# KiCad board panel.kicad_pcb (continued)
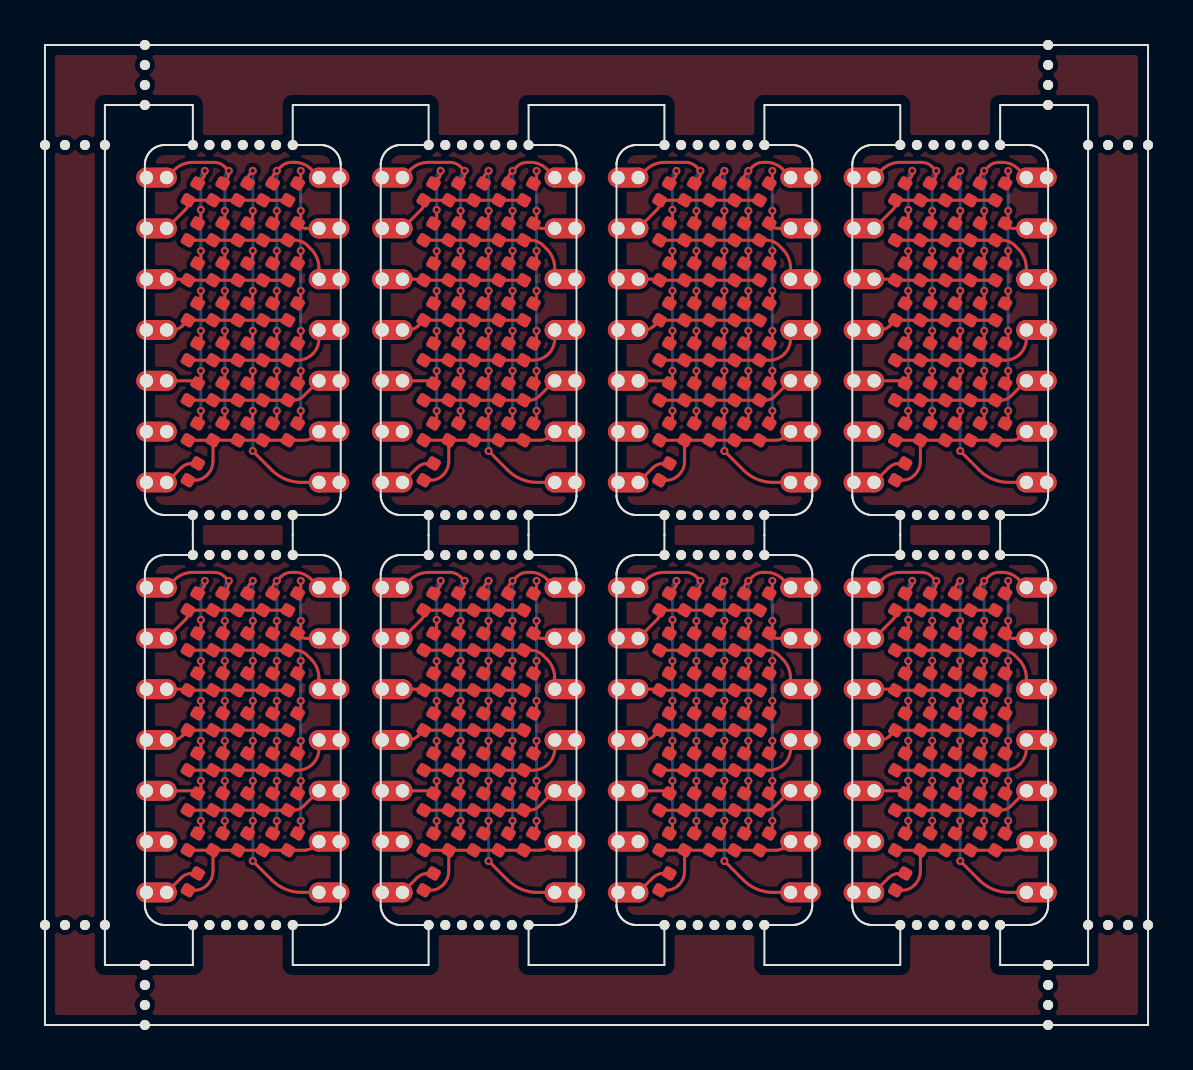
[diagram p0: board, top side]
## Footprints (pads in the part's own frame, mm; a bottom-side part is the same pattern mirrored in y, then rotated)
LED_0402_1005Metric
  rrect 0.59x0.64 smd: 1(-0.485,0) 2(0.485,0)
NPTH
  round 0.5 hole 0.5 unplated: (0,0)
PinHeader_1x14_P1.00mm_Vertical
  rrect 2.032x1 hole 0.67: 1(-1.016,0) 2(-1.016,-2.54) 3(-1.016,-5.08) 4(-1.016,-7.62) 5(-1.016,-10.16) 6(-1.016,-12.7) 7(-1.016,-15.24) 8(8.636,-15.24) 9(8.636,-12.7) 10(8.636,-10.16) 11(8.636,-7.62) 12(8.636,-5.08) 13(8.636,-2.54) 14(8.636,0)
  round 1 hole 0.67: 1(0,0) 2(0,-2.54) 3(0,-5.08) 4(0,-7.62) 5(0,-10.16) 6(0,-12.7) 7(0,-15.24) 8(7.62,-15.24) 9(7.62,-12.7) 10(7.62,-10.16) 11(7.62,-7.62) 12(7.62,-5.08) 13(7.62,-2.54) 14(7.62,0)

## Nets
Board_0-C1: D1#6.2 D2#2.2 D3#6.2 D4#5.2 D5#3.2 D6#2.2 D7#3.2 J3#4.5
Board_0-C2: D8#8.2 D9#4.2 D10.2 D11#2.2 D12#4.2 D13#5.2 D14.2 J3#4.1
Board_0-C3: D15#7.2 D16#2.2 D17#2.2 D18#7.2 D19#8.2 D20#7.2 D21#6.2 J3#4.8
Board_0-C4: D22#4.2 D23#5.2 D24#5.2 D25#7.2 D26#3.2 D27#2.2 D28#7.2 J3#4.14
Board_0-C5: D29#2.2 D30#8.2 D31#3.2 D32#7.2 D33.2 D34#2.2 D35#4.2 J3#4.13
Board_0-DP: D36#4.2 J3#4.7
Board_0-R1: D1#6.1 D8#8.1 D15#7.1 D22#4.1 D29#2.1 J3#4.2
Board_0-R2: D2#2.1 D9#4.1 D16#2.1 D23#5.1 D30#8.1 J3#4.12
Board_0-R3: D3#6.1 D10.1 D17#2.1 D24#5.1 D31#3.1 J3#4.3
Board_0-R4: D4#5.1 D11#2.1 D18#7.1 D25#7.1 D32#7.1 J3#4.4
Board_0-R5: D5#3.1 D12#4.1 D19#8.1 D26#3.1 D33.1 J3#4.11
Board_0-R6: D6#2.1 D13#5.1 D20#7.1 D27#2.1 D34#2.1 J3#4.10
Board_0-R7: D7#3.1 D14.1 D21#6.1 D28#7.1 D35#4.1 D36#4.1 J3#4.9
Board_0-unconnected-(J3-Pin_6-Pad6): J3#4.6
Board_1-C1: D1#2.2 D2#5.2 D3#5.2 D4#7.2 D5#4.2 D6#8.2 D7#4.2 J3#2.5
Board_1-C2: D8#2.2 D9#8.2 D10#4.2 D11#6.2 D12.2 D13#3.2 D14#7.2 J3#2.1
Board_1-C3: D15#6.2 D16.2 D17#7.2 D18#3.2 D19#6.2 D20#3.2 D21#4.2 J3#2.8
Board_1-C4: D22#2.2 D23#7.2 D24#2.2 D25.2 D26.2 D27#6.2 D28#4.2 J3#2.14
Board_1-C5: D29.2 D30.2 D31.2 D32#5.2 D33#8.2 D34#5.2 D35#5.2 J3#2.13
Board_1-DP: D36.2 J3#2.7
Board_1-R1: D1#2.1 D8#2.1 D15#6.1 D22#2.1 D29.1 J3#2.2
Board_1-R2: D2#5.1 D9#8.1 D16.1 D23#7.1 D30.1 J3#2.12
Board_1-R3: D3#5.1 D10#4.1 D17#7.1 D24#2.1 D31.1 J3#2.3
Board_1-R4: D4#7.1 D11#6.1 D18#3.1 D25.1 D32#5.1 J3#2.4
Board_1-R5: D5#4.1 D12.1 D19#6.1 D26.1 D33#8.1 J3#2.11
Board_1-R6: D6#8.1 D13#3.1 D20#3.1 D27#6.1 D34#5.1 J3#2.10
Board_1-R7: D7#4.1 D14#7.1 D21#4.1 D28#4.1 D35#5.1 D36.1 J3#2.9
Board_1-unconnected-(J3-Pin_6-Pad6): J3#2.6
Board_2-C1: D1#5.2 D2#3.2 D3#7.2 D4#3.2 D5#8.2 D6#4.2 D7#5.2 J3#8.5
Board_2-C2: D8#6.2 D9#6.2 D10#2.2 D11#5.2 D12#5.2 D13#6.2 D14#2.2 J3#8.1
Board_2-C3: D15#4.2 D16#4.2 D17#5.2 D18.2 D19#3.2 D20#6.2 D21.2 J3#8.8
Board_2-C4: D22#7.2 D23#6.2 D24#6.2 D25#3.2 D26#2.2 D27#3.2 D28#8.2 J3#8.14
Board_2-C5: D29#4.2 D30#4.2 D31#7.2 D32#8.2 D33#4.2 D34#8.2 D35#3.2 J3#8.13
Board_2-DP: D36#3.2 J3#8.7
Board_2-R1: D1#5.1 D8#6.1 D15#4.1 D22#7.1 D29#4.1 J3#8.2
Board_2-R2: D2#3.1 D9#6.1 D16#4.1 D23#6.1 D30#4.1 J3#8.12
Board_2-R3: D3#7.1 D10#2.1 D17#5.1 D24#6.1 D31#7.1 J3#8.3
Board_2-R4: D4#3.1 D11#5.1 D18.1 D25#3.1 D32#8.1 J3#8.4
Board_2-R5: D5#8.1 D12#5.1 D19#3.1 D26#2.1 D33#4.1 J3#8.11
Board_2-R6: D6#4.1 D13#6.1 D20#6.1 D27#3.1 D34#8.1 J3#8.10
Board_2-R7: D7#5.1 D14#2.1 D21.1 D28#8.1 D35#3.1 D36#3.1 J3#8.9
Board_2-unconnected-(J3-Pin_6-Pad6): J3#8.6
Board_3-C1: D1#8.2 D2#6.2 D3#2.2 D4#4.2 D5#6.2 D6#7.2 D7#8.2 J3#5.5
Board_3-C2: D8#3.2 D9#3.2 D10#6.2 D11#7.2 D12#2.2 D13#7.2 D14#5.2 J3#5.1
Board_3-C3: D15#2.2 D16#5.2 D17#6.2 D18#6.2 D19#2.2 D20#5.2 D21#8.2 J3#5.8
Board_3-C4: D22.2 D23#4.2 D24#3.2 D25#5.2 D26#7.2 D27#5.2 D28#2.2 J3#5.14
Board_3-C5: D29#7.2 D30#5.2 D31#5.2 D32#2.2 D33#7.2 D34.2 D35#8.2 J3#5.13
Board_3-DP: D36#7.2 J3#5.7
Board_3-R1: D1#8.1 D8#3.1 D15#2.1 D22.1 D29#7.1 J3#5.2
Board_3-R2: D2#6.1 D9#3.1 D16#5.1 D23#4.1 D30#5.1 J3#5.12
Board_3-R3: D3#2.1 D10#6.1 D17#6.1 D24#3.1 D31#5.1 J3#5.3
Board_3-R4: D4#4.1 D11#7.1 D18#6.1 D25#5.1 D32#2.1 J3#5.4
Board_3-R5: D5#6.1 D12#2.1 D19#2.1 D26#7.1 D33#7.1 J3#5.11
Board_3-R6: D6#7.1 D13#7.1 D20#5.1 D27#5.1 D34.1 J3#5.10
Board_3-R7: D7#8.1 D14#5.1 D21#8.1 D28#2.1 D35#8.1 D36#7.1 J3#5.9
Board_3-unconnected-(J3-Pin_6-Pad6): J3#5.6
Board_4-C1: D1#4.2 D2#8.2 D3#4.2 D4#6.2 D5.2 D6#5.2 D7.2 J3#3.5
Board_4-C2: D8.2 D9#5.2 D10#8.2 D11.2 D12#3.2 D13.2 D14#6.2 J3#3.1
Board_4-C3: D15#8.2 D16#6.2 D17#3.2 D18#2.2 D19#5.2 D20.2 D21#7.2 J3#3.8
Board_4-C4: D22#5.2 D23#3.2 D24#4.2 D25#4.2 D26#5.2 D27#8.2 D28#3.2 J3#3.14
Board_4-C5: D29#8.2 D30#3.2 D31#8.2 D32#3.2 D33#3.2 D34#3.2 D35.2 J3#3.13
Board_4-DP: D36#6.2 J3#3.7
Board_4-R1: D1#4.1 D8.1 D15#8.1 D22#5.1 D29#8.1 J3#3.2
Board_4-R2: D2#8.1 D9#5.1 D16#6.1 D23#3.1 D30#3.1 J3#3.12
Board_4-R3: D3#4.1 D10#8.1 D17#3.1 D24#4.1 D31#8.1 J3#3.3
Board_4-R4: D4#6.1 D11.1 D18#2.1 D25#4.1 D32#3.1 J3#3.4
Board_4-R5: D5.1 D12#3.1 D19#5.1 D26#5.1 D33#3.1 J3#3.11
Board_4-R6: D6#5.1 D13.1 D20.1 D27#8.1 D34#3.1 J3#3.10
Board_4-R7: D7.1 D14#6.1 D21#7.1 D28#3.1 D35.1 D36#6.1 J3#3.9
Board_4-unconnected-(J3-Pin_6-Pad6): J3#3.6
Board_5-C1: D1.2 D2.2 D3#8.2 D4#2.2 D5#2.2 D6#6.2 D7#2.2 J3#7.5
Board_5-C2: D8#5.2 D9#2.2 D10#3.2 D11#3.2 D12#7.2 D13#2.2 D14#8.2 J3#7.1
Board_5-C3: D15#3.2 D16#7.2 D17#8.2 D18#4.2 D19.2 D20#4.2 D21#3.2 J3#7.8
Board_5-C4: D22#6.2 D23#8.2 D24.2 D25#6.2 D26#6.2 D27.2 D28.2 J3#7.14
Board_5-C5: D29#5.2 D30#2.2 D31#4.2 D32.2 D33#6.2 D34#4.2 D35#6.2 J3#7.13
Board_5-DP: D36#5.2 J3#7.7
Board_5-R1: D1.1 D8#5.1 D15#3.1 D22#6.1 D29#5.1 J3#7.2
Board_5-R2: D2.1 D9#2.1 D16#7.1 D23#8.1 D30#2.1 J3#7.12
Board_5-R3: D3#8.1 D10#3.1 D17#8.1 D24.1 D31#4.1 J3#7.3
Board_5-R4: D4#2.1 D11#3.1 D18#4.1 D25#6.1 D32.1 J3#7.4
Board_5-R5: D5#2.1 D12#7.1 D19.1 D26#6.1 D33#6.1 J3#7.11
Board_5-R6: D6#6.1 D13#2.1 D20#4.1 D27.1 D34#4.1 J3#7.10
Board_5-R7: D7#2.1 D14#8.1 D21#3.1 D28.1 D35#6.1 D36#5.1 J3#7.9
Board_5-unconnected-(J3-Pin_6-Pad6): J3#7.6
Board_6-C1: D1#3.2 D2#7.2 D3.2 D4.2 D5#5.2 D6#3.2 D7#6.2 J3.5
Board_6-C2: D8#4.2 D9#7.2 D10#7.2 D11#8.2 D12#6.2 D13#4.2 D14#4.2 J3.1
Board_6-C3: D15.2 D16#8.2 D17.2 D18#5.2 D19#4.2 D20#2.2 D21#5.2 J3.8
Board_6-C4: D22#8.2 D23#2.2 D24#8.2 D25#8.2 D26#8.2 D27#7.2 D28#5.2 J3.14
Board_6-C5: D29#6.2 D30#6.2 D31#6.2 D32#6.2 D33#2.2 D34#6.2 D35#7.2 J3.13
Board_6-DP: D36#8.2 J3.7
Board_6-R1: D1#3.1 D8#4.1 D15.1 D22#8.1 D29#6.1 J3.2
Board_6-R2: D2#7.1 D9#7.1 D16#8.1 D23#2.1 D30#6.1 J3.12
Board_6-R3: D3.1 D10#7.1 D17.1 D24#8.1 D31#6.1 J3.3
Board_6-R4: D4.1 D11#8.1 D18#5.1 D25#8.1 D32#6.1 J3.4
Board_6-R5: D5#5.1 D12#6.1 D19#4.1 D26#8.1 D33#2.1 J3.11
Board_6-R6: D6#3.1 D13#4.1 D20#2.1 D27#7.1 D34#6.1 J3.10
Board_6-R7: D7#6.1 D14#4.1 D21#5.1 D28#5.1 D35#7.1 D36#8.1 J3.9
Board_6-unconnected-(J3-Pin_6-Pad6): J3.6
Board_7-C1: D1#7.2 D2#4.2 D3#3.2 D4#8.2 D5#7.2 D6.2 D7#7.2 J3#6.5
Board_7-C2: D8#7.2 D9.2 D10#5.2 D11#4.2 D12#8.2 D13#8.2 D14#3.2 J3#6.1
Board_7-C3: D15#5.2 D16#3.2 D17#4.2 D18#8.2 D19#7.2 D20#8.2 D21#2.2 J3#6.8
Board_7-C4: D22#3.2 D23.2 D24#7.2 D25#2.2 D26#4.2 D27#4.2 D28#6.2 J3#6.14
Board_7-C5: D29#3.2 D30#7.2 D31#2.2 D32#4.2 D33#5.2 D34#7.2 D35#2.2 J3#6.13
Board_7-DP: D36#2.2 J3#6.7
Board_7-R1: D1#7.1 D8#7.1 D15#5.1 D22#3.1 D29#3.1 J3#6.2
Board_7-R2: D2#4.1 D9.1 D16#3.1 D23.1 D30#7.1 J3#6.12
Board_7-R3: D3#3.1 D10#5.1 D17#4.1 D24#7.1 D31#2.1 J3#6.3
Board_7-R4: D4#8.1 D11#4.1 D18#8.1 D25#2.1 D32#4.1 J3#6.4
Board_7-R5: D5#7.1 D12#8.1 D19#7.1 D26#4.1 D33#5.1 J3#6.11
Board_7-R6: D6.1 D13#8.1 D20#8.1 D27#4.1 D34#7.1 J3#6.10
Board_7-R7: D7#7.1 D14#3.1 D21#2.1 D28#6.1 D35#2.1 D36#2.1 J3#6.9
Board_7-unconnected-(J3-Pin_6-Pad6): J3#6.6

## Via types
v1: diameter 0.4, hole 0.2, Top to Bottom, 288 vias

## Routing (per net, layer and track width the routed paths; a pad name or vN(x,y) marks a point on that pad's centre or on a via; arc(x,y) is an arc through that point)
Board_0-C1: length 18.6
  Top w0.15: v1(7.8,40.76) 7.8,40.35 arc(7.78,40.24) 7.72,40.16 D2#2.2 ; v1(7.8,30.71) 7.8,30.35 arc(7.78,30.24) 7.72,30.16 D7#3.2 ; D3#6.2 7.72,38.16 arc(7.78,38.24) 7.8,38.35 v1(7.8,38.7) ; v1(8,42.71) 8,42.57 arc(7.97,42.45) 7.9,42.34 D1#6.2 ; v1(7.8,32.71) 7.8,32.35 arc(7.78,32.24) 7.72,32.16 D6#2.2 7.58,32.14 arc(7.5,32.19) 7.42,32.21 J3#4.5 ; D4#5.2 7.72,36.16 arc(7.78,36.24) 7.8,36.35 v1(7.8,36.71) ; D5#3.2 7.72,34.16 arc(7.78,34.24) 7.8,34.35 v1(7.8,34.71)
  Bottom w0.15: v1(8,42.71) 7.9,42.61 arc(7.83,42.5) 7.8,42.37 v1(7.8,40.76) v1(7.8,38.7) v1(7.8,36.71) v1(7.8,34.71) v1(7.8,32.71) v1(7.8,30.71)
Board_0-C2: length 20.3
  Top w0.15: v1(9,38.71) 9,38.26 arc(8.99,38.19) 8.95,38.13 D10.2 ; v1(9,36.71) 9,36.26 arc(8.99,36.19) 8.95,36.13 D11#2.2 ; J3#4.1 6.47,42.75 arc(6.89,43.03) 7.39,43.13 8.47,43.13 arc(8.75,43.08) 8.99,42.92 v1(9.2,42.71) 9.2,42.55 arc(9.17,42.4) 9.09,42.27 D8#8.2 ; v1(9,40.71) 9,40.26 arc(8.99,40.19) 8.95,40.13 D9#4.2 ; D14.2 8.95,30.13 arc(8.99,30.19) 9,30.26 v1(9,30.71) ; v1(9,32.71) 9,32.26 arc(8.99,32.19) 8.95,32.13 D13#5.2 ; v1(9,34.71) 9,34.26 arc(8.99,34.19) 8.95,34.13 D12#4.2
  Bottom w0.15: v1(9,30.71) v1(9,32.71) v1(9,34.71) v1(9,36.71) v1(9,38.71) v1(9,40.71) 9,42.37 arc(9.03,42.5) 9.1,42.61 v1(9.2,42.71)
Board_0-C3: length 22.9
  Top w0.15: v1(10.4,38.71) 10.4,38.52 arc(10.37,38.35) 10.27,38.21 D17#2.2 ; v1(10.4,40.71) 10.4,40.52 arc(10.37,40.35) 10.27,40.21 D16#2.2 ; D18#7.2 10.27,36.21 arc(10.37,36.35) 10.4,36.52 v1(10.4,36.71) ; v1(10.4,32.71) 10.4,32.52 arc(10.37,32.35) 10.27,32.21 D20#7.2 ; D21#6.2 10.27,30.21 arc(10.37,30.35) 10.4,30.52 v1(10.4,30.71) ; v1(10.4,42.71) 10.27,42.58 arc(10.18,42.44) 10.14,42.27 D15#7.2 ; D19#8.2 10.27,34.21 arc(10.37,34.35) 10.4,34.52 v1(10.4,34.71) ; v1(10.4,28.7) 11.35,27.75 arc(12.04,27.29) 12.84,27.13 J3#4.8
  Bottom w0.15: v1(10.4,28.7) v1(10.4,30.71) v1(10.4,32.71) v1(10.4,34.71) v1(10.4,36.71) v1(10.4,38.71) v1(10.4,40.71) v1(10.4,42.71)
Board_0-C4: length 19.4
  Top w0.15: D26#3.2 11.5,34.18 arc(11.57,34.3) 11.6,34.43 v1(11.6,34.71) ; v1(11.6,40.71) 11.6,40.43 arc(11.57,40.3) 11.5,40.18 D23#5.2 ; v1(11.6,38.71) 11.6,38.43 arc(11.57,38.3) 11.5,38.18 D24#5.2 ; D27#2.2 11.5,32.18 arc(11.57,32.3) 11.6,32.43 v1(11.6,32.71) ; v1(11.6,36.71) 11.6,36.43 arc(11.57,36.3) 11.5,36.18 D25#7.2 ; D22#4.2 11.39,42.35 arc(11.42,42.49) 11.5,42.6 v1(11.6,42.71) 11.81,42.92 arc(12.05,43.08) 12.33,43.13 12.5,43.13 arc(12.94,43.05) 13.31,42.8 13.7,42.41 arc(13.71,42.4) 13.71,42.38 J3#4.14 ; v1(11.6,30.71) 11.6,30.43 arc(11.57,30.3) 11.5,30.18 D28#7.2
  Bottom w0.15: v1(11.6,42.71) v1(11.6,40.71) v1(11.6,38.71) v1(11.6,36.71) v1(11.6,34.71) v1(11.6,32.71) v1(11.6,30.71)
Board_0-C5: length 18
  Top w0.15: D35#4.2 12.72,30.16 arc(12.78,30.24) 12.8,30.35 v1(12.8,30.71) ; D32#7.2 12.72,36.16 arc(12.78,36.24) 12.8,36.35 v1(12.8,36.71) ; v1(12.8,32.71) 12.8,32.35 arc(12.78,32.24) 12.72,32.16 D34#2.2 ; v1(12.8,38.71) 12.8,38.35 arc(12.78,38.24) 12.72,38.16 D31#3.2 ; J3#4.13 13.07,39.83 arc(12.9,39.86) 12.77,39.95 D30#8.2 12.72,40.16 arc(12.78,40.24) 12.8,40.35 v1(12.8,40.71) 12.84,40.74 ; v1(12.8,34.71) 12.8,34.35 arc(12.78,34.24) 12.72,34.16 D33.2 ; v1(12.8,42.71) 12.8,42.35 arc(12.78,42.24) 12.72,42.16 D29#2.2
  Bottom w0.15: v1(12.8,42.71) v1(12.8,40.71) v1(12.8,38.71) v1(12.8,36.71) v1(12.8,34.71) v1(12.8,32.71) v1(12.8,30.71)
Board_0-DP: length 1.9
  Top w0.15: J3#4.7 6.82,27.86 arc(7.06,28.02) 7.34,28.08 7.63,28.08 arc(7.64,28.08) 7.64,28.09 7.63,28.09
Board_0-R1: length 6.8
  Top w0.15: D29#2.1 D15#7.1 D8#8.1 D1#6.1 7.16,41.07 arc(7.13,40.91) 7.04,40.78 J3#4.2
Board_0-R2: length 8
  Top w0.15: J3#4.12 13.71,37.84 arc(13.61,38.36) 13.32,38.79 13.12,38.99 arc(12.84,39.17) 12.51,39.24 D30#8.1 D23#5.1 D16#2.1 D9#4.1 7.03,39.24
Board_0-R3: length 6.1
  Top w0.15: D31#3.1 D17#2.1 D10.1 D3#6.1 ; J3#4.3 7.07,37.29 arc(7.1,37.28) 7.13,37.26 arc(7.13,37.25) 7.12,37.24 7.07,37.24
Board_0-R4: length 6.2
  Top w0.15: D32#7.1 D25#7.1 D18#7.1 D11#2.1 D4#5.1 6.87,34.95 arc(6.65,34.8) 6.38,34.75 J3#4.4
Board_0-R5: length 7.6
  Top w0.15: J3#4.11 13.71,34.31 arc(13.63,33.9) 13.4,33.55 13.4,33.55 arc(13.05,33.32) 12.64,33.24 D33.1 D26#3.1 D19#8.1 D12#4.1 D5#3.1
Board_0-R6: length 6.9
  Top w0.15: J3#4.10 13.71,32.21 arc(13.7,32.21) 13.7,32.21 12.93,31.44 arc(12.71,31.29) 12.44,31.24 D34#2.1 D27#2.1 D20#7.1 D13#5.1 D6#2.1
Board_0-R7: length 9.5
  Top w0.15: J3#4.9 13.49,29.45 arc(13.25,29.29) 12.97,29.24 D35#4.1 D28#7.1 D21#6.1 D14.1 ; D14.1 D7#3.1 ; D14.1 8.41,28.19 arc(8.34,27.83) 8.13,27.52 8.09,27.48 arc(7.82,27.3) 7.5,27.24 D36#4.1
Board_1-C1: length 18.6
  Top w0.15: D1#2.2 19.7,42.34 arc(19.77,42.45) 19.8,42.57 v1(19.8,42.71) ; v1(19.6,32.71) 19.6,32.35 arc(19.58,32.24) 19.52,32.16 D6#8.2 19.38,32.14 arc(19.3,32.19) 19.22,32.21 J3#2.5 ; v1(19.6,30.71) 19.6,30.35 arc(19.58,30.24) 19.52,30.16 D7#4.2 ; v1(19.6,38.7) 19.6,38.35 arc(19.58,38.24) 19.52,38.16 D3#5.2 ; v1(19.6,36.71) 19.6,36.35 arc(19.58,36.24) 19.52,36.16 D4#7.2 ; D5#4.2 19.52,34.16 arc(19.58,34.24) 19.6,34.35 v1(19.6,34.71) ; D2#5.2 19.52,40.16 arc(19.58,40.24) 19.6,40.35 v1(19.6,40.76)
  Bottom w0.15: v1(19.8,42.71) 19.7,42.61 arc(19.63,42.5) 19.6,42.37 v1(19.6,40.76) v1(19.6,38.7) v1(19.6,36.71) v1(19.6,34.71) v1(19.6,32.71) v1(19.6,30.71)
Board_1-C2: length 20.3
  Top w0.15: v1(20.8,40.71) 20.8,40.26 arc(20.79,40.19) 20.75,40.13 D9#8.2 ; D14#7.2 20.75,30.13 arc(20.79,30.19) 20.8,30.26 v1(20.8,30.71) ; J3#2.1 18.27,42.75 arc(18.69,43.03) 19.19,43.13 20.27,43.13 arc(20.55,43.08) 20.79,42.92 v1(21,42.71) 21,42.55 arc(20.97,42.4) 20.89,42.27 D8#2.2 ; v1(20.8,32.71) 20.8,32.26 arc(20.79,32.19) 20.75,32.13 D13#3.2 ; v1(20.8,34.71) 20.8,34.26 arc(20.79,34.19) 20.75,34.13 D12.2 ; D11#6.2 20.75,36.13 arc(20.79,36.19) 20.8,36.26 v1(20.8,36.71) ; D10#4.2 20.75,38.13 arc(20.79,38.19) 20.8,38.26 v1(20.8,38.71)
  Bottom w0.15: v1(20.8,30.71) v1(20.8,32.71) v1(20.8,34.71) v1(20.8,36.71) v1(20.8,38.71) v1(20.8,40.71) 20.8,42.37 arc(20.83,42.5) 20.9,42.61 v1(21,42.71)
Board_1-C3: length 22.9
  Top w0.15: D21#4.2 22.07,30.21 arc(22.17,30.35) 22.2,30.52 v1(22.2,30.71) ; v1(22.2,28.7) 23.15,27.75 arc(23.84,27.29) 24.64,27.13 J3#2.8 ; D19#6.2 22.07,34.21 arc(22.17,34.35) 22.2,34.52 v1(22.2,34.71) ; D16.2 22.07,40.21 arc(22.17,40.35) 22.2,40.52 v1(22.2,40.71) ; v1(22.2,32.71) 22.2,32.52 arc(22.17,32.35) 22.07,32.21 D20#3.2 ; D18#3.2 22.07,36.21 arc(22.17,36.35) 22.2,36.52 v1(22.2,36.71) ; D15#6.2 21.94,42.27 arc(21.98,42.44) 22.07,42.58 v1(22.2,42.71) ; v1(22.2,38.71) 22.2,38.52 arc(22.17,38.35) 22.07,38.21 D17#7.2
  Bottom w0.15: v1(22.2,42.71) v1(22.2,40.71) v1(22.2,38.71) v1(22.2,36.71) v1(22.2,34.71) v1(22.2,32.71) v1(22.2,30.71) v1(22.2,28.7)
Board_1-C4: length 19.4
  Top w0.15: D24#2.2 23.3,38.18 arc(23.37,38.3) 23.4,38.43 v1(23.4,38.71) ; v1(23.4,32.71) 23.4,32.43 arc(23.37,32.3) 23.3,32.18 D27#6.2 ; D26.2 23.3,34.18 arc(23.37,34.3) 23.4,34.43 v1(23.4,34.71) ; v1(23.4,36.71) 23.4,36.43 arc(23.37,36.3) 23.3,36.18 D25.2 ; v1(23.4,40.71) 23.4,40.43 arc(23.37,40.3) 23.3,40.18 D23#7.2 ; J3#2.14 25.51,42.38 arc(25.51,42.4) 25.5,42.41 25.11,42.8 arc(24.74,43.05) 24.3,43.13 24.13,43.13 arc(23.85,43.08) 23.61,42.92 v1(23.4,42.71) 23.3,42.6 arc(23.22,42.49) 23.19,42.35 D22#2.2 ; v1(23.4,30.71) 23.4,30.43 arc(23.37,30.3) 23.3,30.18 D28#4.2
  Bottom w0.15: v1(23.4,42.71) v1(23.4,40.71) v1(23.4,38.71) v1(23.4,36.71) v1(23.4,34.71) v1(23.4,32.71) v1(23.4,30.71)
Board_1-C5: length 18
  Top w0.15: D33#8.2 24.52,34.16 arc(24.58,34.24) 24.6,34.35 v1(24.6,34.71) ; D35#5.2 24.52,30.16 arc(24.58,30.24) 24.6,30.35 v1(24.6,30.71) ; v1(24.6,42.71) 24.6,42.35 arc(24.58,42.24) 24.52,42.16 D29.2 ; 24.63,40.74 v1(24.6,40.71) 24.6,40.35 arc(24.58,40.24) 24.52,40.16 D30.2 24.57,39.95 arc(24.7,39.86) 24.87,39.83 J3#2.13 ; v1(24.6,38.71) 24.6,38.35 arc(24.58,38.24) 24.52,38.16 D31.2 ; D34#5.2 24.52,32.16 arc(24.58,32.24) 24.6,32.35 v1(24.6,32.71) ; v1(24.6,36.71) 24.6,36.35 arc(24.58,36.24) 24.52,36.16 D32#5.2
  Bottom w0.15: v1(24.6,42.71) v1(24.6,40.71) v1(24.6,38.71) v1(24.6,36.71) v1(24.6,34.71) v1(24.6,32.71) v1(24.6,30.71)
Board_1-DP: length 1.9
  Top w0.15: J3#2.7 18.62,27.86 arc(18.86,28.02) 19.14,28.08 19.43,28.08 arc(19.44,28.08) 19.44,28.09 19.43,28.09
Board_1-R1: length 6.8
  Top w0.15: D29.1 D15#6.1 D8#2.1 D1#2.1 18.96,41.07 arc(18.93,40.91) 18.84,40.78 J3#2.2
Board_1-R2: length 8
  Top w0.15: J3#2.12 25.51,37.84 arc(25.41,38.36) 25.12,38.79 24.92,38.99 arc(24.64,39.17) 24.31,39.24 D30.1 D23#7.1 D16.1 D9#8.1 18.84,39.24
Board_1-R3: length 6.1
  Top w0.15: D31.1 D17#7.1 D10#4.1 D3#5.1 ; 18.87,37.24 18.92,37.24 arc(18.93,37.25) 18.93,37.26 arc(18.9,37.28) 18.87,37.29 J3#2.3
Board_1-R4: length 6.2
  Top w0.15: D32#5.1 D25.1 D18#3.1 D11#6.1 D4#7.1 18.67,34.95 arc(18.45,34.8) 18.18,34.75 J3#2.4
Board_1-R5: length 7.6
  Top w0.15: D5#4.1 D12.1 D19#6.1 D26.1 D33#8.1 24.44,33.24 arc(24.85,33.32) 25.2,33.55 25.2,33.55 arc(25.43,33.9) 25.51,34.31 J3#2.11
Board_1-R6: length 6.9
  Top w0.15: J3#2.10 25.51,32.21 arc(25.5,32.21) 25.5,32.21 24.73,31.44 arc(24.51,31.29) 24.24,31.24 D34#5.1 D27#6.1 D20#3.1 D13#3.1 D6#8.1
Board_1-R7: length 9.5
  Top w0.15: D14#7.1 D21#4.1 D28#4.1 D35#5.1 24.77,29.24 arc(25.05,29.29) 25.29,29.45 J3#2.9 ; D14#7.1 20.21,28.19 arc(20.14,27.83) 19.93,27.52 19.89,27.48 arc(19.62,27.3) 19.3,27.24 D36.1 ; D14#7.1 D7#4.1
Board_2-C1: length 18.6
  Top w0.15: D5#8.2 31.32,34.16 arc(31.38,34.24) 31.4,34.35 v1(31.4,34.71) ; D1#5.2 31.5,42.34 arc(31.57,42.45) 31.6,42.57 v1(31.6,42.71) ; D4#3.2 31.32,36.16 arc(31.38,36.24) 31.4,36.35 v1(31.4,36.71) ; v1(31.4,40.76) 31.4,40.35 arc(31.38,40.24) 31.32,40.16 D2#3.2 ; D3#7.2 31.32,38.16 arc(31.38,38.24) 31.4,38.35 v1(31.4,38.7) ; v1(31.4,30.71) 31.4,30.35 arc(31.38,30.24) 31.32,30.16 D7#5.2 ; J3#8.5 31.02,32.21 arc(31.1,32.19) 31.18,32.14 D6#4.2 31.32,32.16 arc(31.38,32.24) 31.4,32.35 v1(31.4,32.71)
  Bottom w0.15: v1(31.4,30.71) v1(31.4,32.71) v1(31.4,34.71) v1(31.4,36.71) v1(31.4,38.7) v1(31.4,40.76) 31.4,42.37 arc(31.43,42.5) 31.5,42.61 v1(31.6,42.71)
Board_2-C2: length 20.3
  Top w0.15: v1(32.6,30.71) 32.6,30.26 arc(32.59,30.19) 32.55,30.13 D14#2.2 ; D8#6.2 32.69,42.27 arc(32.77,42.4) 32.8,42.55 v1(32.8,42.71) 32.59,42.92 arc(32.35,43.08) 32.07,43.13 30.99,43.13 arc(30.49,43.03) 30.07,42.75 J3#8.1 ; D9#6.2 32.55,40.13 arc(32.59,40.19) 32.6,40.26 v1(32.6,40.71) ; D12#5.2 32.55,34.13 arc(32.59,34.19) 32.6,34.26 v1(32.6,34.71) ; D13#6.2 32.55,32.13 arc(32.59,32.19) 32.6,32.26 v1(32.6,32.71) ; v1(32.6,36.71) 32.6,36.26 arc(32.59,36.19) 32.55,36.13 D11#5.2 ; D10#2.2 32.55,38.13 arc(32.59,38.19) 32.6,38.26 v1(32.6,38.71)
  Bottom w0.15: v1(32.6,30.71) v1(32.6,32.71) v1(32.6,34.71) v1(32.6,36.71) v1(32.6,38.71) v1(32.6,40.71) 32.6,42.37 arc(32.63,42.5) 32.7,42.61 v1(32.8,42.71)
Board_2-C3: length 22.9
  Top w0.15: D17#5.2 33.87,38.21 arc(33.97,38.35) 34,38.52 v1(34,38.71) ; D15#4.2 33.74,42.27 arc(33.78,42.44) 33.87,42.58 v1(34,42.71) ; v1(34,32.71) 34,32.52 arc(33.97,32.35) 33.87,32.21 D20#6.2 ; D21.2 33.87,30.21 arc(33.97,30.35) 34,30.52 v1(34,30.71) ; J3#8.8 36.44,27.13 arc(35.64,27.29) 34.95,27.75 v1(34,28.7) ; v1(34,36.71) 34,36.52 arc(33.97,36.35) 33.87,36.21 D18.2 ; v1(34,40.71) 34,40.52 arc(33.97,40.35) 33.87,40.21 D16#4.2 ; v1(34,34.71) 34,34.52 arc(33.97,34.35) 33.87,34.21 D19#3.2
  Bottom w0.15: v1(34,28.7) v1(34,30.71) v1(34,32.71) v1(34,34.71) v1(34,36.71) v1(34,38.71) v1(34,40.71) v1(34,42.71)
Board_2-C4: length 19.4
  Top w0.15: J3#8.14 37.31,42.38 arc(37.31,42.4) 37.3,42.41 36.91,42.8 arc(36.54,43.05) 36.1,43.13 35.93,43.13 arc(35.65,43.08) 35.41,42.92 v1(35.2,42.71) 35.1,42.6 arc(35.02,42.49) 34.99,42.35 D22#7.2 ; D27#3.2 35.1,32.18 arc(35.17,32.3) 35.2,32.43 v1(35.2,32.71) ; D23#6.2 35.1,40.18 arc(35.17,40.3) 35.2,40.43 v1(35.2,40.71) ; v1(35.2,38.71) 35.2,38.43 arc(35.17,38.3) 35.1,38.18 D24#6.2 ; D25#3.2 35.1,36.18 arc(35.17,36.3) 35.2,36.43 v1(35.2,36.71) ; v1(35.2,30.71) 35.2,30.43 arc(35.17,30.3) 35.1,30.18 D28#8.2 ; D26#2.2 35.1,34.18 arc(35.17,34.3) 35.2,34.43 v1(35.2,34.71)
  Bottom w0.15: v1(35.2,30.71) v1(35.2,32.71) v1(35.2,34.71) v1(35.2,36.71) v1(35.2,38.71) v1(35.2,40.71) v1(35.2,42.71)
Board_2-C5: length 18
  Top w0.15: v1(36.4,42.71) 36.4,42.35 arc(36.38,42.24) 36.32,42.16 D29#4.2 ; J3#8.13 36.67,39.83 arc(36.5,39.86) 36.37,39.95 D30#4.2 36.32,40.16 arc(36.38,40.24) 36.4,40.35 v1(36.4,40.71) 36.44,40.74 ; v1(36.4,34.71) 36.4,34.35 arc(36.38,34.24) 36.32,34.16 D33#4.2 ; D34#8.2 36.32,32.16 arc(36.38,32.24) 36.4,32.35 v1(36.4,32.71) ; D32#8.2 36.32,36.16 arc(36.38,36.24) 36.4,36.35 v1(36.4,36.71) ; D31#7.2 36.32,38.16 arc(36.38,38.24) 36.4,38.35 v1(36.4,38.71) ; D35#3.2 36.32,30.16 arc(36.38,30.24) 36.4,30.35 v1(36.4,30.71)
  Bottom w0.15: v1(36.4,42.71) v1(36.4,40.71) v1(36.4,38.71) v1(36.4,36.71) v1(36.4,34.71) v1(36.4,32.71) v1(36.4,30.71)
Board_2-DP: length 1.9
  Top w0.15: 31.23,28.09 31.24,28.09 arc(31.24,28.08) 31.23,28.08 30.94,28.08 arc(30.66,28.02) 30.42,27.86 J3#8.7
Board_2-R1: length 6.8
  Top w0.15: J3#8.2 30.64,40.78 arc(30.73,40.91) 30.76,41.07 D1#5.1 D8#6.1 D15#4.1 D29#4.1
Board_2-R2: length 8
  Top w0.15: J3#8.12 37.31,37.84 arc(37.21,38.36) 36.92,38.79 36.72,38.99 arc(36.44,39.17) 36.11,39.24 D30#4.1 D23#6.1 D16#4.1 D9#6.1 30.63,39.24
Board_2-R3: length 6.1
  Top w0.15: 30.67,37.24 30.72,37.24 arc(30.73,37.25) 30.73,37.26 arc(30.7,37.28) 30.67,37.29 J3#8.3 ; D31#7.1 D17#5.1 D10#2.1 D3#7.1
Board_2-R4: length 6.2
  Top w0.15: D32#8.1 D25#3.1 D18.1 D11#5.1 D4#3.1 30.47,34.95 arc(30.25,34.8) 29.98,34.75 J3#8.4
Board_2-R5: length 7.6
  Top w0.15: J3#8.11 37.31,34.31 arc(37.23,33.9) 37,33.55 37,33.55 arc(36.65,33.32) 36.24,33.24 D33#4.1 D26#2.1 D19#3.1 D12#5.1 D5#8.1
Board_2-R6: length 6.9
  Top w0.15: D6#4.1 D13#6.1 D20#6.1 D27#3.1 D34#8.1 36.04,31.24 arc(36.31,31.29) 36.53,31.44 37.3,32.21 arc(37.3,32.21) 37.31,32.21 J3#8.10
Board_2-R7: length 9.5
  Top w0.15: D14#2.1 32.01,28.19 arc(31.94,27.83) 31.73,27.52 31.69,27.48 arc(31.42,27.3) 31.1,27.24 D36#3.1 ; D14#2.1 D7#5.1 ; D14#2.1 D21.1 D28#8.1 D35#3.1 36.57,29.24 arc(36.85,29.29) 37.09,29.45 J3#8.9
Board_3-C1: length 18.6
  Top w0.15: v1(43.2,34.71) 43.2,34.35 arc(43.18,34.24) 43.12,34.16 D5#6.2 ; D7#8.2 43.12,30.16 arc(43.18,30.24) 43.2,30.35 v1(43.2,30.71) ; D2#6.2 43.12,40.16 arc(43.18,40.24) 43.2,40.35 v1(43.2,40.76) ; D3#2.2 43.12,38.16 arc(43.18,38.24) 43.2,38.35 v1(43.2,38.7) ; D1#8.2 43.3,42.34 arc(43.37,42.45) 43.4,42.57 v1(43.4,42.71) ; v1(43.2,32.71) 43.2,32.35 arc(43.18,32.24) 43.12,32.16 D6#7.2 42.98,32.14 arc(42.9,32.19) 42.82,32.21 J3#5.5 ; v1(43.2,36.71) 43.2,36.35 arc(43.18,36.24) 43.12,36.16 D4#4.2
  Bottom w0.15: v1(43.4,42.71) 43.3,42.61 arc(43.23,42.5) 43.2,42.37 v1(43.2,40.76) v1(43.2,38.7) v1(43.2,36.71) v1(43.2,34.71) v1(43.2,32.71) v1(43.2,30.71)
Board_3-C2: length 20.3
  Top w0.15: v1(44.4,32.71) 44.4,32.26 arc(44.39,32.19) 44.35,32.13 D13#7.2 ; D11#7.2 44.35,36.13 arc(44.39,36.19) 44.4,36.26 v1(44.4,36.71) ; J3#5.1 41.87,42.75 arc(42.29,43.03) 42.79,43.13 43.87,43.13 arc(44.15,43.08) 44.39,42.92 v1(44.6,42.71) 44.6,42.55 arc(44.57,42.4) 44.49,42.27 D8#3.2 ; D12#2.2 44.35,34.13 arc(44.39,34.19) 44.4,34.26 v1(44.4,34.71) ; v1(44.4,30.71) 44.4,30.26 arc(44.39,30.19) 44.35,30.13 D14#5.2 ; v1(44.4,38.71) 44.4,38.26 arc(44.39,38.19) 44.35,38.13 D10#6.2 ; D9#3.2 44.35,40.13 arc(44.39,40.19) 44.4,40.26 v1(44.4,40.71)
  Bottom w0.15: v1(44.4,30.71) v1(44.4,32.71) v1(44.4,34.71) v1(44.4,36.71) v1(44.4,38.71) v1(44.4,40.71) 44.4,42.37 arc(44.43,42.5) 44.5,42.61 v1(44.6,42.71)
Board_3-C3: length 22.9
  Top w0.15: D19#2.2 45.67,34.21 arc(45.77,34.35) 45.8,34.52 v1(45.8,34.71) ; D15#2.2 45.54,42.27 arc(45.58,42.44) 45.67,42.58 v1(45.8,42.71) ; D21#8.2 45.67,30.21 arc(45.77,30.35) 45.8,30.52 v1(45.8,30.71) ; D18#6.2 45.67,36.21 arc(45.77,36.35) 45.8,36.52 v1(45.8,36.71) ; v1(45.8,38.71) 45.8,38.52 arc(45.77,38.35) 45.67,38.21 D17#6.2 ; v1(45.8,32.71) 45.8,32.52 arc(45.77,32.35) 45.67,32.21 D20#5.2 ; v1(45.8,40.71) 45.8,40.52 arc(45.77,40.35) 45.67,40.21 D16#5.2 ; J3#5.8 48.24,27.13 arc(47.44,27.29) 46.75,27.75 v1(45.8,28.7)
  Bottom w0.15: v1(45.8,28.7) v1(45.8,30.71) v1(45.8,32.71) v1(45.8,34.71) v1(45.8,36.71) v1(45.8,38.71) v1(45.8,40.71) v1(45.8,42.71)
Board_3-C4: length 19.4
  Top w0.15: D26#7.2 46.9,34.18 arc(46.97,34.3) 47,34.43 v1(47,34.71) ; D22.2 46.79,42.35 arc(46.82,42.49) 46.9,42.6 v1(47,42.71) 47.21,42.92 arc(47.45,43.08) 47.73,43.13 47.9,43.13 arc(48.34,43.05) 48.71,42.8 49.1,42.41 arc(49.11,42.4) 49.11,42.38 J3#5.14 ; D28#2.2 46.9,30.18 arc(46.97,30.3) 47,30.43 v1(47,30.71) ; v1(47,36.71) 47,36.43 arc(46.97,36.3) 46.9,36.18 D25#5.2 ; v1(47,38.71) 47,38.43 arc(46.97,38.3) 46.9,38.18 D24#3.2 ; D27#5.2 46.9,32.18 arc(46.97,32.3) 47,32.43 v1(47,32.71) ; v1(47,40.71) 47,40.43 arc(46.97,40.3) 46.9,40.18 D23#4.2
  Bottom w0.15: v1(47,42.71) v1(47,40.71) v1(47,38.71) v1(47,36.71) v1(47,34.71) v1(47,32.71) v1(47,30.71)
Board_3-C5: length 18
  Top w0.15: v1(48.2,38.71) 48.2,38.35 arc(48.18,38.24) 48.12,38.16 D31#5.2 ; v1(48.2,32.71) 48.2,32.35 arc(48.18,32.24) 48.12,32.16 D34.2 ; v1(48.2,30.71) 48.2,30.35 arc(48.18,30.24) 48.12,30.16 D35#8.2 ; J3#5.13 48.47,39.83 arc(48.3,39.86) 48.17,39.95 D30#5.2 48.12,40.16 arc(48.18,40.24) 48.2,40.35 v1(48.2,40.71) 48.23,40.74 ; D29#7.2 48.12,42.16 arc(48.18,42.24) 48.2,42.35 v1(48.2,42.71) ; D33#7.2 48.12,34.16 arc(48.18,34.24) 48.2,34.35 v1(48.2,34.71) ; v1(48.2,36.71) 48.2,36.35 arc(48.18,36.24) 48.12,36.16 D32#2.2
  Bottom w0.15: v1(48.2,42.71) v1(48.2,40.71) v1(48.2,38.71) v1(48.2,36.71) v1(48.2,34.71) v1(48.2,32.71) v1(48.2,30.71)
Board_3-DP: length 1.9
  Top w0.15: 43.03,28.09 43.04,28.09 arc(43.04,28.08) 43.03,28.08 42.74,28.08 arc(42.46,28.02) 42.22,27.86 J3#5.7
Board_3-R1: length 6.8
  Top w0.15: J3#5.2 42.44,40.78 arc(42.53,40.91) 42.56,41.07 D1#8.1 D8#3.1 D15#2.1 D29#7.1
Board_3-R2: length 8
  Top w0.15: J3#5.12 49.11,37.84 arc(49.01,38.36) 48.72,38.79 48.52,38.99 arc(48.24,39.17) 47.91,39.24 D30#5.1 D23#4.1 D16#5.1 D9#3.1 42.44,39.24
Board_3-R3: length 6.1
  Top w0.15: D31#5.1 D17#6.1 D10#6.1 D3#2.1 ; 42.47,37.24 42.52,37.24 arc(42.53,37.25) 42.53,37.26 arc(42.5,37.28) 42.47,37.29 J3#5.3
Board_3-R4: length 6.2
  Top w0.15: J3#5.4 41.78,34.75 arc(42.05,34.8) 42.27,34.95 D4#4.1 D11#7.1 D18#6.1 D25#5.1 D32#2.1
Board_3-R5: length 7.6
  Top w0.15: J3#5.11 49.11,34.31 arc(49.03,33.9) 48.8,33.55 48.8,33.55 arc(48.45,33.32) 48.04,33.24 D33#7.1 D26#7.1 D19#2.1 D12#2.1 D5#6.1
Board_3-R6: length 6.9
  Top w0.15: D6#7.1 D13#7.1 D20#5.1 D27#5.1 D34.1 47.84,31.24 arc(48.11,31.29) 48.33,31.44 49.1,32.21 arc(49.1,32.21) 49.11,32.21 J3#5.10
Board_3-R7: length 9.5
  Top w0.15: D36#7.1 42.9,27.24 arc(43.22,27.3) 43.49,27.48 43.53,27.52 arc(43.74,27.83) 43.81,28.19 D14#5.1 ; J3#5.9 48.89,29.45 arc(48.65,29.29) 48.37,29.24 D35#8.1 D28#2.1 D21#8.1 D14#5.1 ; D14#5.1 D7#8.1
Board_4-C1: length 18.6
  Top w0.15: v1(7.8,14.21) 7.8,13.85 arc(7.78,13.74) 7.72,13.66 D5.2 ; D2#8.2 7.72,19.66 arc(7.78,19.74) 7.8,19.85 v1(7.8,20.26) ; D3#4.2 7.72,17.66 arc(7.78,17.74) 7.8,17.85 v1(7.8,18.2) ; D1#4.2 7.9,21.84 arc(7.97,21.95) 8,22.07 v1(8,22.21) ; v1(7.8,16.21) 7.8,15.85 arc(7.78,15.74) 7.72,15.66 D4#6.2 ; D7.2 7.72,9.66 arc(7.78,9.74) 7.8,9.85 v1(7.8,10.21) ; v1(7.8,12.21) 7.8,11.85 arc(7.78,11.74) 7.72,11.66 D6#5.2 7.58,11.64 arc(7.5,11.69) 7.42,11.71 J3#3.5
  Bottom w0.15: v1(7.8,10.21) v1(7.8,12.21) v1(7.8,14.21) v1(7.8,16.21) v1(7.8,18.2) v1(7.8,20.26) 7.8,21.87 arc(7.83,22) 7.9,22.11 v1(8,22.21)
Board_4-C2: length 20.3
  Top w0.15: D14#6.2 8.95,9.63 arc(8.99,9.69) 9,9.76 v1(9,10.21) ; v1(9,20.21) 9,19.76 arc(8.99,19.69) 8.95,19.63 D9#5.2 ; v1(9,12.21) 9,11.76 arc(8.99,11.69) 8.95,11.63 D13.2 ; D11.2 8.95,15.63 arc(8.99,15.69) 9,15.76 v1(9,16.21) ; D8.2 9.09,21.77 arc(9.17,21.9) 9.2,22.05 v1(9.2,22.21) 8.99,22.42 arc(8.75,22.58) 8.47,22.63 7.39,22.63 arc(6.89,22.53) 6.47,22.25 J3#3.1 ; D12#3.2 8.95,13.63 arc(8.99,13.69) 9,13.76 v1(9,14.21) ; v1(9,18.21) 9,17.76 arc(8.99,17.69) 8.95,17.63 D10#8.2
  Bottom w0.15: v1(9,10.21) v1(9,12.21) v1(9,14.21) v1(9,16.21) v1(9,18.21) v1(9,20.21) 9,21.87 arc(9.03,22) 9.1,22.11 v1(9.2,22.21)
